# Altium PCB Lapwing2p2.PcbDoc (part 2 of 2)
Units mm, origin at the board's own origin, x right, y up, seen from the top; angles counter-clockwise.
Board outline 80 x 49 mm, 4 copper layers (Top Copper, Signal Layer 1, Signal Layer 2, Bottom Copper), stack 1.57 mm thick; 130 components, 100 nets, 510 pads, 237 vias.
Unrouted connection lines stored in the file: 94.
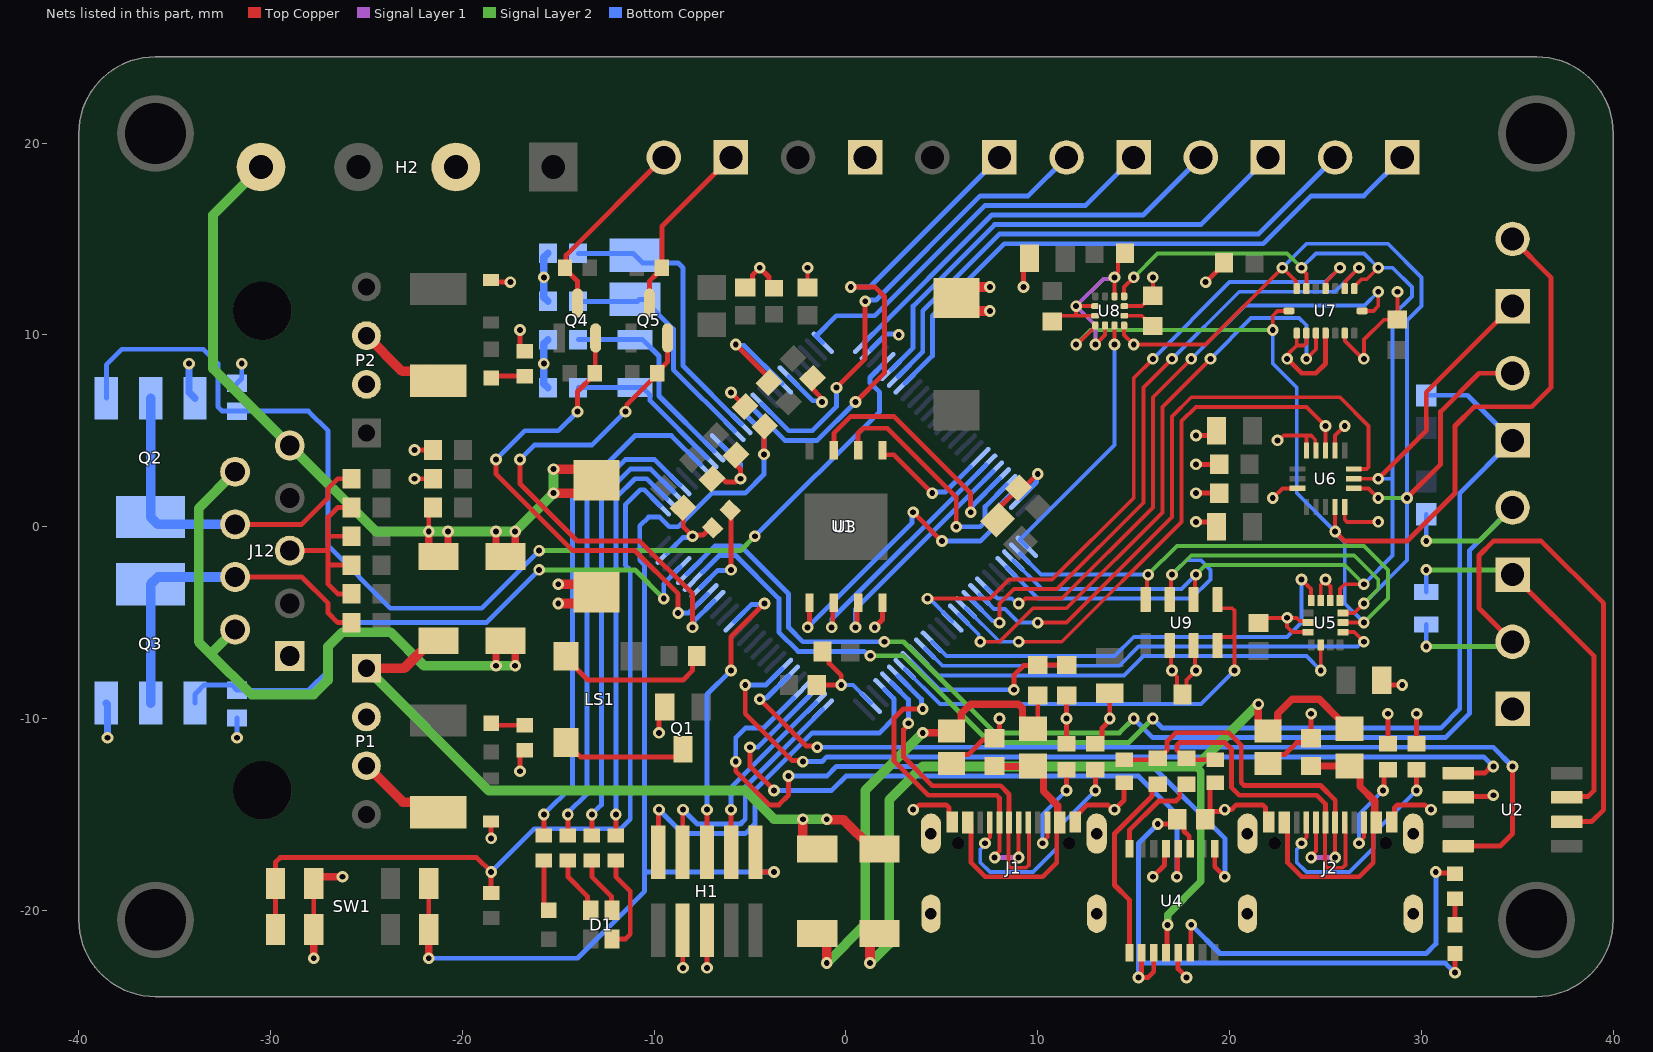
[diagram p4: the nets of this part, all layers, seen from the top]

## Via types
v1: diameter 0.61, hole 0.305, Top Copper to Bottom Copper, tented both sides, 236 vias
v2: diameter 0.61, hole 0.305, Top Copper to Bottom Copper, 1 vias

## Nets (pads, with @x,y where several pads share a name; then routed paths per layer and width w, separated by ;. In a path a pad name is that pad's centre, name@x,y a point inside that pad or via, vN(x,y) a via of type N, cw(c..) or ccw(c..) an arc to the next point about the centre after c; other vN are vias at no path point) (continued)
CAN_H: J11.1 R33.1 U2.7 | length 20.3
  Top Copper w0.254: J11.1@34.75,-2.5 39,-6.75 39,-13.75 38.689,-14.061 U2.7@37.629,-14.061
  Top Copper w0.381: U2.7@37.575,-14.115 U2.7@37.629,-14.061
  Signal Layer 2 w0.254: v1(30.25,-2.25) 34.5,-2.25 J11.1@34.75,-2.5
  Bottom Copper w0.254: R33.1@30.25,-3.4 v1(30.25,-2.25)
CAN_L: J13.2 R33.2 U2.6 | length 32.1
  Top Copper w0.254: J13.2@34.75,-6 33,-4.25 33,-1.5 33.75,-0.75 36.25,-0.75 39.5,-4 39.5,-14.75 38.882,-15.368 37.592,-15.368 U2.6@37.575,-15.385
  Signal Layer 2 w0.254: v1(30.25,-6.25) 34.5,-6.25 J13.2@34.75,-6
  Bottom Copper w0.254: v1(30.25,-6.25) R33.2@30.25,-5.1
CAN_RX: U1.81 U2.4 | length 49.3
  Top Copper w0.254: v1(-4.5,-9) -2.068,-11.432 -1.568,-11.432 v1(-1.5,-11.5) ; U2.4@31.925,-16.655 34.095,-16.655 34.75,-16 v1(34.75,-12.5)
  Bottom Copper w0.254: v1(-4.5,-9) -4.432,-8.932 -4.146,-8.932 U1.81@-2.982,-7.768 ; v1(-1.5,-11.5) 33.75,-11.5 v1(34.75,-12.5)
CAN_TX: U1.82 U2.1 | length 46.1
  Top Copper w0.254: v1(-5.25,-8.25) -5.25,-9.75 -2.818,-12.182 -2.318,-12.182 v1(-2.25,-12.25) ; U2.1@31.925,-12.845 33.309,-12.845 33.654,-12.5 v1(33.75,-12.5)
  Bottom Copper w0.254: v1(-5.25,-8.25) -4.172,-8.25 U1.82@-3.336,-7.414 ; v1(-2.25,-12.25) -1.25,-12.25 -1,-12 33.25,-12 v1(33.75,-12.5)
CS_ACCL: U1.59 U7.14 | length 34.8
  Top Copper w0.203: v1(8,-5) 8,-4 8.75,-3.25 11,-3.25 15.5,1.25 15.5,7.25 v1(17,8.75) ; U7.14@26,12.41 26.047,12.457 26.047,12.797 v1(26.75,13.5)
  Bottom Copper w0.203: 7.356,-4.623 6.612,-3.879 U1.59@6.599,-3.879 7.643,-4.922 7.922,-4.922 v1(8,-5) ; v1(17,8.75) 20.5,12.25 25.5,12.25 v1(26.75,13.5)
CS_ALTIMU: U1.66 U5.12 | length 25.1
  Top Copper w0.203: U5.12@25.913,-5.5 26.5,-5.5 v1(27,-6)
  Bottom Copper w0.203: U1.66@4.124,-6.354 5.021,-7.25 14.25,-7.25 15.25,-6.25 26.678,-6.25 26.928,-6 v1(27,-6)
CS_BARO: U1.69 U9.4 U9.5 | length 24.4
  Top Copper w0.203: U9.4@19.375,-6.2 19.375,-5.914 19.539,-5.75 20.13,-5.75 20.25,-5.63 ; U9.5@19.375,-3.8 19.375,-4.086 19.539,-4.25 20.131,-4.25 20.25,-4.369 20.25,-5.63 ; v1(20.25,-7.5) 20.25,-5.63
  Bottom Copper w0.203: U1.69@3.064,-7.414 4.899,-9.25 18.5,-9.25 v1(20.25,-7.5)
CS_GYRO: U1.61 U7.5 | length 32.5
  Top Copper w0.203: v1(7,-6) 8,-6 9.75,-4.25 11.5,-4.25 16.5,0.75 16.5,6.25 v1(19,8.75) ; v1(24,8.75) 24.5,9.25 U7.5@24.5,10.09
  Bottom Copper w0.203: U1.61@5.892,-4.586 6.922,-5.616 6.922,-5.922 v1(7,-6) ; v1(19,8.75) 21.125,10.875 23.625,10.875 24,10.5 v1(24,8.75)
CS_HIACCL: U1.58 U6.8 | length 32.4
  Top Copper w0.203: v1(10,-5) 11.5,-5 17,0.5 17,5.75 18,6.75 25.75,6.75 27.25,5.25 27.25,3.119 27.131,3 U6.8@26.47,3
  Bottom Copper w0.203: U1.58@6.953,-3.525 7.716,-4.289 8.289,-4.289 9,-5 v1(10,-5)
CS_MAG: U1.51 U8.3 | length 13.7
  Top Copper w0.203: v1(14,9.5) U8.3@14,10.49
  Bottom Copper w0.203: U1.51@9.427,-1.05 9.079,-0.702 9.079,-0.671 14,4.25 v1(14,9.5)
D1: J6.1 U1.15 | length 25.3
  Top Copper w0.254: v1(0.25,12.5) 1.5,12.5 2,12 2,8 v1(0.5,6.5)
  Bottom Copper w0.254: U1.15@-4.75,6.056 -3.194,4.5 -1.5,4.5 v1(0.5,6.5) ; v1(0.25,12.5) 1.25,12.5 J6.1@8,19.25
D2: J5.2 U1.16 | length 24.7
  Top Copper w0.254: v1(-0.5,7.25) 1,8.75 v1(1,11.75)
  Bottom Copper w0.254: U1.16@-4.396,6.41 -2.987,5 -1.75,5 -0.5,6.25 v1(-0.5,7.25) ; v1(1,11.75) 1.068,11.818 1.568,11.818 7,17.25 9.5,17.25 J5.2@11.5,19.25
D3: J5.1 U1.25 | length 20.9
  Bottom Copper w0.254: U1.25@-1.214,9.592 -1.56,9.937 -1.56,9.94 -0.5,11 1.5,11 7.25,16.75 12.5,16.75 14.227,18.477 J5.1@15,19.25
D4: J4.2 U1.26 | length 21.6
  Bottom Copper w0.254: U1.26@0.942,9.592 7.601,16.25 15.5,16.25 16.5,17.25 J4.2@18.5,19.25
D5: J4.1 U1.30 | length 25.5
  Bottom Copper w0.254: U1.30@2.356,8.177 3.5,9.321 3.5,11.5 7.75,15.75 18.5,15.75 21.227,18.477 J4.1@22,19.25
D6: J3.2 U1.31 | length 28.8
  Bottom Copper w0.254: U1.31@2.71,7.824 4,9.114 4,11.25 8,15.25 21.5,15.25 J3.2@25.5,19.25
D7: J3.1 U1.32 | length 32
  Bottom Copper w0.254: U1.32@3.064,7.47 4.5,8.907 4.5,11 8.25,14.75 21.75,14.75 24.25,17.25 27,17.25 J3.1@29,19.25
EMATCH_DROG: J12.8 Q2.D R27.1 | length 18.1
  Top Copper w0.254: J12.8@-31.845,0.122 -28.378,0.122 -27,1.5 -27,2 -26.5,2.5 R27.1@-25.79,2.5
  Bottom Copper w0.508: Q2.D@-36.25,6.698 Q2.D@-36.25,0.5 -35.872,0.122 J12.8@-31.845,0.122
EMATCH_MAIN: J12.7 Q3.D R29.2 | length 18.1
  Top Copper w0.254: J12.7@-31.845,-2.622 -28.378,-2.622 -27,-4 -27,-4.5 -26.5,-5 R29.2@-25.79,-5
  Bottom Copper w0.508: Q3.D@-36.25,-9.198 Q3.D@-36.25,-3 -35.872,-2.622 J12.7@-31.845,-2.622
FLASH_CLK: U1.47 U3.6 | length 13.1
  Top Copper w0.254: U3.6@0.635,3.975 0.635,4.885 0.885,5.135 2.156,5.135 5.75,1.541 v1(5.75,0)
  Bottom Copper w0.254: v1(5.75,0) 7,0 7.25,0.25 7.25,1.05 U1.47@8.367,2.167
FLASH_CS: U1.48 U3.1 | length 16.7
  Top Copper w0.254: v1@-1.905,-4.999 U3.1@-1.905,-3.975 ; v1(3.5,0.75) v1(5,-0.75)
  Bottom Copper w0.254: v1(-2,-5.25) 3.432,0.182 3.432,0.682 v1(3.5,0.75) ; v1(5,-0.75) 7,-0.75 7.75,0 7.75,0.843 U1.48@8.72,1.814
FLASH_IO0: U1.43 U3.5 | length 6.2
  Top Copper w0.254: U3.5@1.905,3.975 1.905,3.839 1.994,3.75 2.5,3.75 v1(4.5,1.75)
  Bottom Copper w0.254: v1(4.5,1.75) 4.565,1.815 5.186,1.815 U1.43@6.494,3.123
FLASH_IO1: U1.44 U3.2 | length 13.1
  Top Copper w0.254: v1(-0.75,-5.25) -0.693,-5.192 -0.693,-4.033 U3.2@-0.635,-3.975
  Bottom Copper w0.254: v1(-0.75,-5.25) -0.73,-5.23 -0.73,-4.808 U1.44@7.306,3.228
FLASH_IO2: U1.45 U3.3 | length 12.4
  Top Copper w0.254: v1(0.5,-5.25) 0.567,-5.182 0.567,-4.043 U3.3@0.635,-3.975
  Bottom Copper w0.254: v1(0.5,-5.25) 0.5,-4.286 U1.45@7.66,2.874
FLASH_IO3: U1.46 U3.7 | length 13.4
  Top Copper w0.254: U3.7@-0.635,3.975 -0.635,4.865 0.25,5.75 2.5,5.75 6.5,1.75 v1(6.5,0.75)
  Bottom Copper w0.254: v1(6.5,0.75) 6.568,0.818 6.568,1.075 U1.46@8.013,2.521
GND: C1.2 C2.1 C3.1 C4.1 C5.1 C6.1 C7.1 C8.1 C9.2 C10.2 C11.1 C12.2 C13.1 C14.1 C15.1 C16.1 C17.1 C18.1 C19.1 C20.1 C21.1 C22.2 C23.1 C24.1 C25.1 C26.1 C27.1 C28.1 C29.2 C30.1 C31.1 C32.2 C33.2 C34.2 C35.2 C36.2 C37.1 C38.2 C39.2 C40.2 C41.2 C42.2 C43.2 D9.2 D10.2 H1.3 H1.5 H2.2 J1.A1/B12 J1.B1/A12 J1.G1 J1.G2 J1.G3 J1.G4 J2.A1/B12 J2.B1/A12 J2.G1 J2.G2 J2.G3 J2.G4 J7.1 J12.1 J12.3 J13.1 P1.2 P2.2 Q1.S Q2.S Q3.S R1.1 R2.1 R3.1 R4.1 R5.1 R10.1 R15.2 R16.2 R19.1 R20.1 R26.1 R28.2 R30.2 SW1.3 SW1.7 U1.10 U1.19 U1.20 U1.27 U1.49 U1.74 U1.99 U2.2 U3.4 U4.5 U4.13 U5.2 U5.3 U5.6 U5.7 U6.5 U6.10 U6.12 U6.13 U6.16 U7.2 U7.4 U7.6 U7.7 U8.2 U8.6 U8.8 U8.11 U8.12 U9.2 U9.3 | length 184.2
  Top Copper w0.203: C15.1@-2,12.475 v1(-2,13.5) ; C39.2@10.75,10.71 11.04,11 12.119,11 ; v1(12,11.5) v1@12,11.25 ; U8.12@12.99,11 12.119,11 ; U8.11@12.99,11.5 12.25,11.5 v1@12,11.25 ; v1(13,9.5) 13.5,10 U8.2@13.5,10.49 ; U8.8@14,12.01 v1(14,13) 14,13.11 14.172,13.282 14.172,13.882 C32.2@14.54,14.25 ; U8.6@14.51,11.5 15.42,11.5 16,12.08 v1(16,13) ; U9.2@16.875,-6.2 16.938,-6.262 16.938,-7.437 v1(17,-7.5) 17,-7.572 17.25,-7.822 17.25,-8.815 17.435,-9 17.75,-8.685 17.75,-8 v1(18.25,-7.5) 18.188,-7.437 18.188,-6.262 U9.3@18.125,-6.2 ; C25.1@21.5,-5.025 21.775,-4.75 v1(23,-4.75) ; v1(22.25,1.5) 22.75,2 U6.16@23.53,2 ; v1(22.5,4.5) 22.572,4.5 22.822,4.75 24,4.75 ; v1(23,8.75) 23.078,8.828 23.078,9.028 23.5,9.45 ; U7.7@23.5,10.09 23.5,9.45 ; U6.13@24,3.97 24,4.75 ; U7.6@24,10.09 24,9.569 23.881,9.45 23.5,9.45 ; U5.7@24.088,-5.5 23.285,-5.5 23,-5.215 v1(23,-4.75) ; U5.6@24.088,-5 24.014,-4.927 23.677,-4.927 23.5,-4.75 v1(23,-4.75) ; U6.12@24.5,3.97 24.467,4.003 24.467,4.533 24.25,4.75 24,4.75 ; U5.3@24.75,-3.838 24.75,-3.035 v1@25,-2.785 ; v1(25,-2.75) v1@25,-2.785 ; U5.2@25.25,-3.838 25.25,-3.11 25,-2.86 v1@25,-2.785 ; U6.10@25.5,3.97 25.5,4.75 v1(26,5.25) ; U6.5@26,1.03 26,0.369 26.119,0.25 v1(27.75,0.25) ; U7.2@26,10.09 26.021,10.069 26.021,9.676 26.946,8.75 v1(27,8.75) 27,9.75 28.04,10.79 C35.2@28.75,10.79 ; C35.2@28.75,10.908 v1(28.75,12.25) ; v1@12,11.25 12,11.119 12.119,11
  Top Copper w0.254: J12.3@-29,-1.25 -27,-1.25 ; SW1.7@-27.75,-21 SW1.3@-27.75,-18.6 ; R30.2@-25.79,-3.5 -26.5,-3.5 -27,-3 -27,-2 ; C41.2@-25.79,-2 -27,-2 ; C27.1@-25.79,-0.5 -27,-0.5 ; R28.2@-25.79,1 -26.5,1 -27,0.5 -27,-0.5 ; v1(-22.5,2.5) -21.883,2.5 -21.79,2.593 R26.1@-21.79,2.75 ; v1(-22.5,4) C26.1@-21.54,4 ; v1(-18.5,-16.25) D9.2@-18.5,-15.365 ; D10.2@-18.5,12.865 -18.385,12.75 v1(-17.5,12.75) ; v1(-17,-12.75) -17,-11.898 -16.752,-11.65 R16.2@-16.75,-11.65 ; v1(-17,10.25) -17,9.398 -16.752,9.15 R15.2@-16.75,9.15 ; v2(-9.75,-10.75) -9.75,-9.7 Q1.S@-9.45,-9.4 ; H1.3@-8.52,-21.032 -8.51,-21.042 -8.51,-22.99 v1(-8.5,-23) ; C20.1@-8.487,0.987 -8.523,0.952 -8.523,0.46 -8.487,0.424 -8.487,-0.013 v1@-7.96,-0.54 ; v1(-8,-0.5) -7.932,-0.432 -7.446,-0.432 -7.074,-0.06 R5.1@-6.96,-0.06 ; v1(-7.25,-23) H1.5@-7.25,-21.032 ; C19.1@-6.987,2.487 -6.952,2.523 -6.46,2.523 -6.267,2.33 -5.767,2.33 -5.596,2.5 v1(-5.5,2.5) -5.5,3 -5.741,3.241 -5.741,3.733 C17.1@-5.737,3.737 ; v1(-6,7) C6.1@-5.263,6.263 ; v1(-5.75,9.5) -4.013,7.763 C3.1@-4.013,7.513 ; C24.1@-5.25,12.475 -5.22,12.475 -4.872,12.823 -4.872,13.128 v1(-4.5,13.5) -4.016,13.016 -4.016,12.691 C23.1@-3.75,12.425 ; C18.1@-1.737,7.737 -1.773,7.702 -1.773,7.21 -1.318,6.755 -1.318,6.568 v1(-1.25,6.5) ; C21.1@-1.525,-8.25 v1(-0.25,-8.25) -0.25,-7.75 -0.877,-7.123 -0.877,-6.848 C16.1@-1.225,-6.5 ; v1(1.5,-5.25) 1.5,-5.244 1.905,-4.839 U3.4@1.905,-3.975 ; v1(3.5,-14.75) 3.577,-14.75 3.827,-14.5 5.228,-14.5 5.377,-14.649 5.377,-15.237 J1.A1/B12@5.55,-15.41 ; C7.1@5.5,-12.35 5.965,-11.885 6.365,-11.885 7.127,-11.123 7.402,-11.123 7.75,-10.775 C4.1@7.75,-11.025 8,-10.775 v1(8,-10) ; C11.1@7.899,0.101 7.899,0.899 8.987,1.987 C14.1@8.987,2.013 C14.1@8.987,1.75 ; C14.1@9,1.75 v1(10,2.75) ; v1(9.25,12.5) 9.25,13.685 C36.2@9.565,14 ; R3.1@11.5,-11.325 R10.1@11.5,-8.79 ; J1.B1/A12@11.95,-15.41 11.95,-15.135 12.585,-14.5 13.654,-14.5 13.904,-14.75 v1(14,-14.75) 14.5,-14.25 C10.2@14.5,-13.35 ; R1.1@13,-11.325 13.075,-11.325 13.348,-11.052 13.348,-10.498 13.75,-10.096 C33.2@13.75,-8.685 ; v1(16,-18.25) 16.606,-17.644 16.606,-16.858 U4.5@16.682,-16.782 ; U4.13@17.317,-22.218 17.317,-23.056 17.75,-23.489 v1(17.75,-23.5) ; v1(18.25,0.25) 19.065,0.25 C34.2@19.315,0 ; v1(18.25,1.75) C38.2@19.46,1.75 ; v1(18.25,3.25) C30.1@19.46,3.25 ; v1(18.25,4.75) 19.065,4.75 C40.2@19.315,5 ; C22.2@18.725,-15.25 18.725,-15.2 19.073,-14.852 19.552,-14.852 19.654,-14.75 v1(19.75,-14.75) ; v1(18.75,12.75) 19.71,13.71 C31.1@19.71,13.75 ; C22.2@18.975,-15.2 18.975,-13.375 C9.2@19,-13.35 ; v1@20,-14.75 20.096,-14.75 20.346,-14.5 21.728,-14.5 21.877,-14.649 21.877,-15.237 J2.A1/B12@22.05,-15.41 ; C8.1@22,-12.35 22.473,-11.877 22.873,-11.877 23.493,-11.257 23.852,-11.257 C5.1@24.167,-10.942 ; v1(23,8.75) 23.75,8 24.5,8 25,8.5 U7.4@25,10.09 ; C5.1@24.25,-11.025 v1(24.25,-9.75) ; C37.1@27.935,-8.25 v1(29,-8.25) ; R4.1@28.25,-11.325 v1(28.25,-9.75) ; J2.B1/A12@28.45,-15.41 28.595,-15.265 28.595,-14.649 28.743,-14.5 30.173,-14.5 30.423,-14.75 v1(30.5,-14.75) ; R2.1@29.75,-11.325 v1(29.75,-9.75) ; U2.2@31.925,-14.115 31.982,-14.058 33.693,-14.058 v1(33.75,-14) ; -27,-2 -27,-1.25 ; -27,-1.25 -27,-0.5
  Top Copper w0.381: v1(-27.75,-22.5) SW1.7@-27.75,-21 ; SW1.3@-27.75,-18.6 -27.75,-18.559 -27.44,-18.25 v1(-26.25,-18.25) ; R26.1@-21.79,2.75 R26.1@-21.54,2.5 ; Q1.S@-9.45,-9.6 Q1.S@-9.45,-9.4
  Top Copper w0.508: v1(-15,-4) -13.575,-4 C43.2@-13,-3.425 -13.425,-3 v1(-15,-3) ; v1(7.5,11.25) 6.425,11.25 C42.2@5.75,11.925 6.325,12.5 v1(7.5,12.5)
  Signal Layer 1 w0.203: v1(13,9.5) 13,10.5 v1(12,11.5) 13.422,12.922 v1@13.922,12.922
  Bottom Copper w0.203: v1(-0.25,-8.25) 0.364,-8.25 U1.74@1.296,-9.182
  Bottom Copper w0.254: v1(-31.75,-11) R20.1@-31.75,-9.975 ; R19.1@-31.75,7.475 -31.5,7.725 v1(-31.5,8.5) ; U1.99@-9.346,-1.404 -8.511,-0.568 -8.068,-0.568 v1(-8,-0.5) ; U1.10@-6.518,4.288 -5.5,3.271 v1(-5.5,2.5) ; v1(-5.75,9.5) -5.711,9.461 -5.327,9.461 U1.19@-3.336,7.47 ; U1.20@-2.982,7.824 -1.726,6.568 -1.318,6.568 v1(-1.25,6.5) ; U1.27@1.296,9.238 2.113,10.056 2.694,10.056 v1(2.75,10) ; U1.49@9.074,1.46 9.932,2.318 9.932,2.682 v1(10,2.75)
  Bottom Copper w0.381: Q3.S@-38.561,-9.198 -38.5,-9.259 v1(-38.5,-11) ; v1(-34.25,8.5) -34.25,7.009 Q2.S@-33.939,6.698 ; v1@-15.75,8.438 -15.75,7.46 C1.2@-15.54,7.25 ; v1(-15.75,8.5) -15.75,9.54 C2.1@-15.54,9.75 ; C12.2@-15.54,11.75 -15.75,11.96 -15.75,14.04 C13.1@-15.54,14.25
  other v1: 11.5,-10 13.75,-10 -15.75,13
H1: J8.2 Q4.3 R23.1 | length 10
  Top Copper w0.254: Q4.3@-14,11.66 -14,12.803 -14.399,13.202 -14.402,13.202 -14.65,13.45 R23.1@-14.65,13.5 -14.593,13.557 -14.593,14.157 J8.2@-9.5,19.25
H2: J8.1 Q5.3 R24.1 | length 9.4
  Top Copper w0.254: Q5.3@-10.25,11.66 -10.25,12.803 -9.851,13.202 -9.848,13.202 -9.6,13.45 R24.1@-9.6,13.5 -9.6,15.65 J8.1@-6,19.25
HIO1_RAW: Q4.2 R21.1 U1.93 | length 25.3
  Top Copper w0.254: v1(-18.25,3.5) -18.25,2.75 -14.25,-1.25 -11,-1.25 -8.75,-3.5 v1(-8.75,-4.5) ; v1(-14,6) -14,7.05 -13.1,7.95 R21.1@-13.1,8 -13.075,8.025 -13.075,9.815 Q4.2@-13.05,9.84
  Bottom Copper w0.254: v1(-18.25,3.5) -16.75,5 -15,5 v1(-14,6) ; v1(-8.75,-4.5) -8.2,-4.5 U1.93@-7.225,-3.525
HIO2_RAW: Q5.2 R22.1 U1.92 | length 27.5
  Top Copper w0.254: v1(-17,3.5) -17,2.25 -14,-0.75 -10.75,-0.75 -8,-3.5 v1(-8,-5.25) ; v1(-11.5,6) -11.432,6.068 -11.432,6.368 -9.85,7.95 R22.1@-9.85,8 -9.85,8.05 -9.3,8.6 Q5.2@-9.3,9.84
  Bottom Copper w0.254: v1(-17,3.5) -16.25,4.25 -13.25,4.25 v1(-11.5,6) ; v1(-8,-5.25) -7.932,-5.182 -7.932,-4.939 U1.92@-6.871,-3.879
INT_ACCL: U1.57 U7.16 | length 32.6
  Top Copper w0.203: v1(9,-4) 9.11,-4 9.36,-3.75 11.25,-3.75 16,1 16,6.75 v1(18,8.75) ; U7.16@26.91,11.25 27.5,11.25 27.75,11.5 v1(27.75,12.25)
  Bottom Copper w0.203: U1.57@7.306,-3.172 7.319,-3.172 7.897,-3.75 8.64,-3.75 8.89,-4 v1(9,-4) ; v1(18,8.75) 20.792,11.542 27.042,11.542 v1(27.75,12.25)
INT_ALTIMU1: U1.65 U5.4 | length 23.9
  Top Copper w0.203: v1(23.75,-2.75) 24.25,-3.25 U5.4@24.25,-3.838
  Bottom Copper w0.203: U1.65@4.478,-6 4.49,-6 5.24,-6.75 14,-6.75 15,-5.75 23,-5.75 23.75,-5 v1(23.75,-2.75)
INT_ALTIMU2: U1.67 U5.9 | length 23.5
  Top Copper w0.203: v1(24.75,-7.5) U5.9@24.75,-6.163
  Bottom Copper w0.203: U1.67@3.771,-6.707 3.783,-6.707 4.826,-7.75 14.5,-7.75 15.5,-6.75 24,-6.75 v1(24.75,-7.5)
INT_GYRO: U1.62 U7.12 | length 35.5
  Top Copper w0.203: v1(4.25,-3.75) 7.5,-3.75 8.5,-2.75 10.75,-2.75 15,1.5 15,7.75 v1(16,8.75) ; U7.12@25,12.41 25.047,12.457 25.047,12.797 v1(25.75,13.5)
  Bottom Copper w0.203: v1(4.25,-3.75) 4.349,-3.75 U1.62@5.538,-4.939 ; v1(16,8.75) 20,12.75 25,12.75 v1(25.75,13.5)
INT_HIACCL: U1.60 U6.11 | length 29.3
  Top Copper w0.203: v1(9,-6) 11.25,-6 17.5,0.25 17.5,5.5 18.25,6.25 24,6.25 v1(25,5.25) U6.11@25,3.97
  Bottom Copper w0.203: U1.60@6.246,-4.232 8.013,-6 v1(9,-6)
JTDI: H1.8 U1.77 | length 9.6
  Top Copper w0.254: v1(-6,-14.75) -5.99,-14.76 -5.99,-16.958 H1.8@-5.98,-16.968
  Bottom Copper w0.254: v1(-6,-14.75) -6,-13.614 U1.77@-1.568,-9.182
LED_BLUE: R14.2 U1.4 | length 24.3
  Top Copper w0.254: R14.2@-14.5,-16.1 v1(-14.5,-15)
  Bottom Copper w0.254: v1(-14.5,-15) -14.5,-14.923 -13.5,-13.923 -13.5,1.5 -11.5,3.5 -9.972,3.5 U1.4@-8.639,2.167
LED_GREEN: R13.2 U1.3 | length 22.7
  Top Copper w0.254: R13.2@-13.25,-16.1 v1(-13.25,-15)
  Bottom Copper w0.254: v1(-13.25,-15) -12.75,-14.5 -12.75,1.5 -11.25,3 -10.179,3 U1.3@-8.993,1.814
LED_RED: R12.2 U1.2 | length 21.1
  Top Copper w0.254: R12.2@-12,-16.1 v1(-12,-15)
  Bottom Copper w0.254: v1(-12,-15) -12,1.5 -11,2.5 -10.386,2.5 U1.2@-9.346,1.46
LED_UART: R17.2 U4.14 | length 19.9
  Top Copper w0.254: U4.14@17.952,-22.218 17.976,-22.194 17.976,-20.774 v1(18,-20.75) ; v1(30.75,-18) 30.8,-18.05 31.7,-18.05 R17.2@31.75,-18.1
  Bottom Copper w0.254: v1(18,-20.75) 19.5,-22.25 30.25,-22.25 30.75,-21.75 v1(30.75,-18)
LED_USER: R11.2 U1.7 | length 26.9
  Top Copper w0.254: R11.2@-15.75,-16.1 v1(-15.75,-15)
  Bottom Copper w0.254: v1(-15.75,-15) -14.25,-13.5 -14.25,1.5 -11,4.75 -9.101,4.75 U1.7@-7.578,3.228
MISO: J9.1 U1.53 U5.1 U6.7 U7.10 U7.15 U8.7 U9.6 | length 74.1
  Top Copper w0.203: U8.7@14.5,12.01 14.5,12.5 v1(15,13) ; U9.6@18.125,-3.8 18.188,-3.737 18.188,-2.562 v1(18.25,-2.5) ; v1(23.75,13.5) 23.75,13.428 24,13.178 U7.10@24,12.41 ; U5.1@25.75,-3.838 25.75,-3.25 26,-3 v1(27,-3) ; U6.7@26.47,2.5 v1(27.75,2.5) ; U7.15@26.5,12.41 26.5,12.53 26.87,12.9 27.15,12.9 v1(27.75,13.5) ; J9.1@33.951,10.702 J9.1@34.75,11.5
  Top Copper w0.254: v1(27.75,2.5) 30.25,5 30.25,7 J9.1@33.951,10.702
  Signal Layer 2 w0.203: v1(15,13) 16.25,14.25 23,14.25 v1(23.75,13.5) ; v1(18.25,-2.5) 18.75,-2 26,-2 v1(27,-3)
  Bottom Copper w0.203: U1.53@8.72,-1.757 10.213,-3.25 17.5,-3.25 v1(18.25,-2.5) ; v1(23.75,13.5) 24.5,14.25 27,14.25 v1(27.75,13.5) 28.5,13.5 29.5,12.5 29.5,12 28.5,11 28.5,2.5 ; v1(27,-3) 28.5,-1.5 28.5,2.5 ; v1(27.75,2.5) 28.5,2.5
MOSI: J10.2 U1.54 U5.14 U6.6 U7.9 U8.4 U9.7 | length 82.2
  Top Copper w0.203: U8.4@14.5,10.49 14.5,10 v1(15,9.5) 18.75,9.5 v1(22.75,13.5) 23.453,12.797 23.453,12.457 U7.9@23.5,12.41 ; U9.7@16.875,-3.8 16.938,-3.737 16.938,-2.562 v1(17,-2.5) ; U5.14@25.913,-4.5 26.5,-4.5 v1(27,-4) ; U6.6@26.47,2 27.25,2 v1(27.75,1.5)
  Top Copper w0.254: v1(29.25,1.5) 31,3.25 31,6 33,8 J10.2@34.75,8
  Signal Layer 2 w0.203: v1(17,-2.5) 18,-1.5 26.5,-1.5 27.75,-2.75 27.75,-3.25 v1(27,-4) ; v1(27.75,1.5) v1(29.25,1.5)
  Bottom Copper w0.203: U1.54@8.367,-2.111 10.006,-3.75 18,-3.75 19,-2.75 19,-2.25 18.5,-1.75 17.75,-1.75 v1(17,-2.5) ; v1(22.75,13.5) 24,14.75 28.25,14.75 30,13 30,11.5 29.25,10.75 v1(29.25,1.5) 29.25,-1.75 v1(27,-4)
NetC1_1: C1.1 U1.8 XTAL1.2 | length 8.4
  Bottom Copper w0.254: C1.1@-13.96,7.25 XTAL1.2@-11,7.25 -10.8,7.25 -10.6,7.25 -10.227,6.877 -10.227,6.583 U1.8@-7.225,3.581
NetC2_2: C2.2 U1.9 XTAL1.1 | length 10.7
  Bottom Copper w0.254: C2.2@-13.96,9.75 XTAL1.1@-11,9.75 -10.6,9.75 -9.75,8.9 -9.75,6.814 U1.9@-6.871,3.935
NetC4_2: C4.2 J1.A4/B9 J1.B4/A9 L1.1 | length 15.2
  Top Copper w0.254: J1.A4/B9@6.512,-15.572 6.35,-15.41 6.523,-15.583 6.523,-17.523 7.25,-18.25 10.25,-18.25 10.988,-17.512 10.988,-15.572 J1.B4/A9@11.15,-15.41
  Top Copper w0.381: C4.2@7.75,-12.475 7.775,-12.5 9.723,-12.5 L1.1@9.75,-12.472 9.842,-12.472 10.295,-12.925 10.295,-13.794 11.041,-14.54 11.041,-15.301 J1.B4/A9@11.15,-15.41
NetC5_2: C5.2 J2.A4/B9 J2.B4/A9 L2.1 | length 15
  Top Copper w0.254: J2.A4/B9@22.85,-15.41 23.023,-15.583 23.023,-17.523 23.75,-18.25 26.75,-18.25 27.488,-17.512 27.488,-15.572 27.65,-15.41 J2.B4/A9@27.603,-15.363 ; L2.1@26.25,-12.472 L2.1@26.347,-12.57
  Top Copper w0.381: C5.2@24.25,-12.475 24.252,-12.472 L2.1@26.25,-12.472 ; L2.1@26.347,-12.57 26.44,-12.57 26.795,-12.925 26.795,-13.544 27.569,-14.319 27.569,-15.329 J2.B4/A9@27.603,-15.363
NetC12_1: C12.1 U1.12 XTAL2.2 | length 12.3
  Bottom Copper w0.254: C12.1@-13.96,11.75 -10.875,11.75 -10.775,11.85 -10.55,11.85 -9,10.3 -9,8.185 U1.12@-5.811,4.996
NetC13_2: C13.2 U1.13 XTAL2.1 | length 15.2
  Bottom Copper w0.254: C13.2@-13.96,14.25 -11.1,14.25 XTAL2.1@-11,14.15 -10.6,13.75 -8.75,13.75 -8.5,13.5 -8.5,8.392 U1.13@-5.457,5.349
NetC29_1: C29.1 U8.5 | length 1.7
  Top Copper w0.203: U8.5@14.51,11 15.42,11 15.96,10.46 C29.1@16,10.46
NetD1_2: D1.2 R14.1 | length 3.1
  Top Copper w0.254: R14.1@-14.5,-17.4 -14.493,-17.407 -14.493,-18.257 -13.482,-19.268 -13.482,-19.818 D1.2@-13.3,-20
NetD1_3: D1.3 R13.1 | length 3
  Top Copper w0.254: R13.1@-13.25,-17.4 -13.25,-18.25 -12.232,-19.268 -12.232,-19.968 D1.3@-12.2,-20
NetD1_4: D1.4 R12.1 | length 5.2
  Top Copper w0.254: D1.4@-12.2,-21.5 -11.5,-21.5 -11.25,-21.25 -11.25,-19 -12,-18.25 R12.1@-12,-17.4
NetD2_1: D2.1 R15.1 | length 1.8
  Top Copper w0.254: D2.1@-18.5,7.75 -18.4,7.85 R15.1@-16.75,7.85
NetD3_1: D3.1 R16.1 | length 1.8
  Top Copper w0.254: D3.1@-18.5,-10.25 -18.4,-10.35 R16.1@-16.75,-10.35
NetD4_1: D4.1 R17.1 | length 1.3
  Top Copper w0.254: D4.1@31.75,-20.75 R17.1@31.75,-19.4
NetDS1_2: DS1.2 R11.1 | length 2.7
  Top Copper w0.254: R11.1@-15.75,-17.4 -15.75,-19.75 DS1.2@-15.5,-20
NetF1_1: F1.1 P1.3 | length 4.8
  Top Copper w0.508: P1.3@-25,-12.46 -23.098,-14.362 -21.778,-14.362 F1.1@-21.25,-14.89
NetF2_1: F2.1 P2.3 | length 5.6
  Top Copper w0.381: F2.1@-21.9,8.26 F2.1@-21.25,7.61
  Top Copper w0.508: P2.3@-25,9.96 -23.138,8.098 -21.738,8.098 F2.1@-21.25,7.61
NetJ1_A5: J1.A5 R1.2 | length 12
  Top Copper w0.203: v1(7.25,-16.5) 7.25,-16.443 7.5,-16.193 7.5,-15.41 J1.A5@7.452,-15.458
  Top Copper w0.254: v1(13,-13.75) R1.2@13,-12.675
  Bottom Copper w0.203: v1(7.25,-16.5) 7.25,-16.572 7,-16.822 7,-17.5 7.5,-18 9.75,-18 11,-16.75 11,-15.75 v1(13,-13.75)
NetJ1_B5: J1.B5 R3.2 | length 5.5
  Top Copper w0.203: v1(10.25,-16.5) 10.25,-16.443 10.5,-16.193 J1.B5@10.5,-15.41
  Top Copper w0.254: v1(11.5,-13.75) R3.2@11.5,-12.675
  Bottom Copper w0.203: v1(10.25,-16.5) 10.25,-15 v1(11.5,-13.75)
NetJ2_A5: J2.A5 R2.2 | length 12.1
  Top Copper w0.203: v1(23.75,-16.5) 23.75,-16.443 24,-16.193 24,-15.41 J2.A5@23.952,-15.458
  Top Copper w0.254: v1(29.75,-13.75) R2.2@29.75,-12.675
  Bottom Copper w0.203: v1(23.75,-16.5) 23.75,-16.572 23.5,-16.822 23.5,-17.5 24,-18 26.25,-18 27.5,-16.75 27.5,-16 v1(29.75,-13.75)
NetJ2_B5: J2.B5 R4.2 | length 5.6
  Top Copper w0.203: v1(26.75,-16.5) 26.75,-16.443 27,-16.193 J2.B5@27,-15.41
  Top Copper w0.254: v1@28.044,-13.706 R4.2@28.044,-12.881
  Top Copper w0.381: v1(28,-13.75) v1@28.044,-13.706 ; R4.2@28.044,-12.881 R4.2@28.25,-12.675
  Bottom Copper w0.203: v1(26.75,-16.5) 26.75,-15 v1(28,-13.75)
NetLS1_N: LS1.N Q1.D | length 6.7
  Top Copper w0.254: LS1.N@-14.6,-11.25 -14.6,-11.35 -14.077,-11.873 -13.977,-11.873 -13.85,-12 -8.873,-12 -8.5,-11.627 Q1.D@-8.5,-11.6
NetLS1_P: LS1.P R18.1 | length 9.1
  Top Copper w0.254: LS1.P@-14.077,-6.127 -14.6,-6.65 LS1.P@-14.6,-6.75 -14.6,-6.85 -14.077,-7.373 -13.45,-8 -8.5,-8 -8.007,-7.507 -8.007,-6.982 R18.1@-7.775,-6.75
NetR5_2: R5.2 U1.94 | length 5.1
  Top Copper w0.254: R5.2@-6.04,0.86 -6.005,0.824 -6.005,-2.245 v1(-6,-2.25)
  Bottom Copper w0.254: U1.94@-7.578,-3.172 -6.686,-2.279 -6.029,-2.279 v1(-6,-2.25)
NetR6_2: R6.2 U4.8 | length 5
  Top Copper w0.254: U4.8@14.777,-16.782 14.777,-15.823 16.301,-14.299 17.201,-14.299 17.402,-14.098 17.402,-13.523 R6.2@17.5,-13.425
NetR7_2: R7.2 U4.9 | length 10.1
  Top Copper w0.254: U4.9@14.777,-22.218 14.777,-19.458 14,-18.68 14,-16 15.96,-14.04 15.96,-13.698 16.233,-13.425 R7.2@16.25,-13.425
nRST: C6.2 H1.10 SW1.1 SW1.5 U1.14 | length 57.2
  Top Copper w0.254: SW1.5@-21.75,-21 SW1.1@-21.75,-18.6 ; H1.10@-4.71,-16.968 -4.71,-17.759 -4.469,-18 v1(-3.75,-18) ; v1@-4.273,3.676 v1(-4.273,3.773) C6.2@-4.273,5.202
  Top Copper w0.381: v1(-21.75,-22.5) SW1.5@-21.75,-21 ; C6.2@-4.273,5.202 C6.2@-4.237,5.237
  Bottom Copper w0.254: v1(-21.75,-22.5) -14,-22.5 -10.5,-19 -10.5,-18 ; U1.14@-5.104,5.703 -4.273,4.872 v1(-4.273,3.773) -4.273,2.727 -5.25,1.75 -7,1.75 -8.75,0 -9.209,0 -9.709,0.5 -10.291,0.5 -10.75,0.041 -10.75,-1.75 -10.5,-2 -10.5,-18 ; v1(-3.75,-18) -10.5,-18
SCK: J9.2 U1.52 U5.13 U6.4 U7.8 U8.1 U9.8 | length 84.1
  Top Copper w0.203: v1(12,9.5) 12.05,9.5 13,10.45 U8.1@13,10.49 ; U9.8@15.625,-3.8 15.688,-3.737 15.688,-2.562 v1(15.75,-2.5) ; v1(22.25,10.25) 22.25,11 22.5,11.25 U7.8@23.09,11.25 ; v1(25.5,-0.25) U6.4@25.5,1.03 ; U5.13@25.913,-5 v1(27,-5)
  Top Copper w0.254: v1(25.5,-0.25) 26,-0.75 29.25,-0.75 31.75,1.75 31.75,5.25 32.75,6.25 35.75,6.25 36.75,7.25 36.75,13 J9.2@34.75,15
  Signal Layer 2 w0.203: v1(12,9.5) 12.75,10.25 v1(22.25,10.25) ; v1(15.75,-2.5) 17.25,-1 27,-1 28.25,-2.25 28.25,-3.75 v1(27,-5)
  Bottom Copper w0.203: U1.52@9.074,-1.404 10.17,-2.5 v1(15.75,-2.5) ; v1(22.25,10.25) 22.25,8.5 23.5,7.25 23.5,1.75 v1(25.5,-0.25) 25.5,-0.322 26,-0.822 26,-4 v1(27,-5)
SCL: J10.1 R31.1 U1.95 | length 66.6
  Signal Layer 2 w0.254: v1(1.271,-6.729) 2.979,-6.729 7.5,-11.25 14.75,-11.25 v1(16,-10)
  Bottom Copper w0.254: U1.95@-7.474,-2.36 -6.614,-1.5 -5.75,-1.5 -3.5,-3.75 -3.5,-5.5 -2.5,-6.5 0.946,-6.5 1.175,-6.729 v1(1.271,-6.729) ; v1(16,-10) 16.5,-10.5 31,-10.5 32,-9.5 32,1.75 J10.1@34.75,4.5 32.4,6.85 R31.1@30.25,6.85
SDA: J11.2 R32.1 U1.96 | length 66
  Signal Layer 2 w0.254: v1(2,-6) 3,-6 7.75,-10.75 14.25,-10.75 v1(15,-10) ; v1(30.25,-0.75) 33,-0.75 J11.2@34.75,1
  Bottom Copper w0.254: U1.96@-8.286,-2.464 -6.821,-1 -5.5,-1 -3,-3.5 -3,-5.25 -2.25,-6 v1(2,-6) ; v1(15,-10) 16,-11 31.25,-11 32.5,-9.75 32.5,-1.25 J11.2@34.75,1 ; v1(30.25,-0.75) R32.1@30.25,0.65
SEP_DROG: Q2.G R19.2 U1.29 | length 60.1
  Signal Layer 2 w0.254: v1(-16,-1.25) -5.5,-1.25 v1(-4.75,-0.5)
  Bottom Copper w0.254: Q2.G@-38.561,6.698 -38.561,8.439 -37.75,9.25 -33.5,9.25 -32.75,8.5 -32.75,6.25 -32.525,6.025 R19.2@-31.75,6.025 -28.025,6.025 -27,5 -27,-1 -23.75,-4.25 -19,-4.25 v1(-16,-1.25) ; v1(-4.75,-0.5) 1.75,6 1.75,7 1.25,7.5 1.25,7.778 U1.29@2.003,8.531
SEP_MAIN: Q3.G R20.2 U1.97 | length 31.2
  Signal Layer 2 w0.254: v1(-16,-2.25) -11,-2.25 v1(-9.5,-3.75)
  Bottom Copper w0.254: Q3.G@-33.939,-9.198 -33.939,-8.733 -33.456,-8.25 -32.025,-8.25 R20.2@-31.75,-8.525 -28.025,-8.525 -27,-7.5 -27,-6.25 -25.75,-5 -18.75,-5 v1(-16,-2.25) ; v1(-9.5,-3.75) -9.5,-2.972 U1.97@-8.639,-2.111
SW_H: R8.2 SW1.4 SW1.8 U1.1 | length 43.7
  Top Copper w0.254: SW1.8@-29.75,-21 SW1.4@-29.75,-18.6 -29.75,-17.5 -29.5,-17.25 -19.25,-17.25 v1(-18.5,-18) -18.5,-19.05 R8.2@-18.607,-19.157
  Bottom Copper w0.254: v1(-18.5,-18) -16.25,-15.75 -11.75,-15.75 -11.25,-15.25 -11.25,-2.25 -11.5,-2 -11.5,1.151 -10.728,1.924 -10.517,1.924 U1.1@-9.7,1.106
SWCLK: H1.4 U1.76 | length 13.3
  Top Copper w0.254: H1.4@-8.52,-16.968 -8.51,-16.958 -8.51,-14.76 v1(-8.5,-14.75)
  Bottom Copper w0.254: v1(-8.5,-14.75) -7.75,-15.5 -5.5,-15.5 -5.25,-15.25 -5.25,-13.571 U1.76@-1.214,-9.536
SWDIO: H1.2 U1.72 | length 20.2
  Top Copper w0.254: H1.2@-9.79,-16.968 -9.77,-16.948 -9.77,-14.77 v1(-9.75,-14.75)
  Bottom Copper w0.254: v1(-9.75,-14.75) -8.5,-16 -5.25,-16 -4.75,-15.5 -4.75,-13.75 -1.75,-10.75 1.75,-10.75 2.5,-10 2.5,-8.972 U1.72@2.003,-8.475
SWO: H1.6 U1.89 | length 16.2
  Top Copper w0.254: H1.6@-7.25,-16.968 v1(-7.25,-14.75) ; v1(-6,-7.5) -6,-5.75 v1(-4.25,-4)
  Bottom Copper w0.254: v1(-7.25,-14.75) -7.25,-8.75 v1(-6,-7.5) ; U1.89@-5.811,-4.939 -4.936,-4.065 -4.315,-4.065 v1(-4.25,-4)
UART_RX: U1.79 U4.1 | length 38.5
  Top Copper w0.254: v1(-5.75,-12.25) -5.75,-12.75 -4,-14.5 -3.5,-14.5 -3,-14 v1(-3,-13) ; U4.1@19.222,-16.782 19.222,-17.722 v1(19.75,-18.25)
  Bottom Copper w0.254: v1(-5.75,-12.25) -5.75,-11 -5.25,-10.5 -4.3,-10.5 U1.79@-2.733,-8.933 ; v1(-3,-13) -1,-13 -0.5,-12.5 16,-12.5 19.75,-16.25 v1(19.75,-18.25)
UART_TX: U1.78 U4.4 | length 33.8
  Top Copper w0.254: v1(-5,-11.5) -5,-12.5 v1(-3.75,-13.75) ; v1(17.25,-18.25) 17.284,-18.216 17.284,-16.816 U4.4@17.317,-16.782
  Bottom Copper w0.254: v1(-5,-11.5) -4.593,-11.5 U1.78@-1.922,-8.828 ; v1(-3.75,-13.75) -0.75,-13.75 0,-13 15.25,-13 17.25,-15 v1(17.25,-18.25)
UART_VIO: C22.1 D4.2 U4.3 U4.10 U4.11 | length 31.9
  Top Copper w0.254: v1(15.25,-23.5) 15.75,-23.5 16.047,-23.203 U4.11@16.047,-22.218 ; v1@15.412,-23.244 U4.10@15.412,-22.218 ; v1(16.25,-15.5) 17.025,-15.5 17.15,-15.375 17.35,-15.375 17.623,-15.648 17.623,-15.873 17.897,-16.147 17.897,-16.726 U4.3@17.952,-16.782 ; v1(31.75,-23.25) D4.2@31.75,-22.25
  Bottom Copper w0.254: v1(15.25,-23.5) 15.25,-22.75 ; v1(16.25,-15.5) 15.25,-16.5 15.25,-22.75 ; v1(31.75,-23.25) 31.25,-22.75 15.25,-22.75
USB1_N: J1.A7 J1.B7 U1.70 | length 18.8
  Top Copper w0.203: v1@7.75,-17.154 8,-16.904 J1.B7@8,-15.41 ; v1(9,-17.246) J1.A7@9,-15.41
  Top Copper w0.254: v1(4,-9.5) 3,-9.5 2.5,-10 2.5,-12.207 4.297,-14.004 7.851,-14.004 8,-14.153 J1.B7@8,-15.41 ; v1(7.75,-17.25) v1@7.75,-17.154 ; J1.A7@9,-15.41 J1.A7@9.004,-15.406
  Signal Layer 1 w0.254: v1(7.75,-17.25) 7.752,-17.248 8.998,-17.248 v1(9,-17.246)
  Bottom Copper w0.254: U1.70@2.71,-7.768 3.932,-8.99 3.932,-9.432 v1(4,-9.5)
USB1_P: J1.A6 J1.B6 U1.71 | length 17.8
  Top Copper w0.203: J1.A6@8.5,-15.41 8.467,-15.443 8.467,-17.664 8.586,-17.783 9.381,-17.783 9.533,-17.631 9.533,-15.443 J1.B6@9.5,-15.41
  Top Copper w0.254: v1(3.25,-10.25) 3.25,-10.327 3,-10.577 3,-12 4.504,-13.504 8.058,-13.504 8.5,-13.946 J1.A6@8.5,-15.41
  Bottom Copper w0.254: U1.71@2.356,-8.121 3.25,-9.015 v1(3.25,-10.25)
USB1_VBUS: C7.2 D7.A L1.2 R9.2 | length 26.1
  Top Copper w0.254: D7.A@-1.5,-21.2 D7.A@-1,-21.7 ; C7.2@5.1,-10.25 C7.2@5.5,-10.65 ; L1.2@9.75,-10.527 10,-10.278 R9.2@10,-8.79
  Top Copper w0.381: v1(4,-10.75) 4.99,-10.75 5.1,-10.859 5.1,-10.891 C7.2@5.1,-10.25 ; C7.2@5.5,-10.65 5.6,-10.65 6.01,-10.241 6.01,-9.741 6.5,-9.25 8.982,-9.25 9.206,-9.473 9.206,-10.075 9.658,-10.527 L1.2@9.75,-10.527
  Top Copper w0.508: v1(-1,-22.75) D7.A@-1,-21.7
  Signal Layer 2 w0.508: v1(-1,-22.75) 1,-20.75 1,-13.75 v1(4,-10.75)
USB1_VSENSE: R9.1 R10.2 U1.68 | length 9.7
  Top Copper w0.254: v1(8.75,-8.5) 8.75,-7.75 9.258,-7.242 9.968,-7.242 R9.1@10,-7.21 ; R9.1@9.96,-7.21 R10.2@11.5,-7.21
  Bottom Copper w0.254: U1.68@3.417,-7.061 4.856,-8.5 v1(8.75,-8.5)
USB2_N: C10.1 J2.A7 J2.B7 R7.1 | length 20.4
  Top Copper w0.203: v1@24.25,-17.154 24.5,-16.904 J2.B7@24.5,-15.41 ; v1(25.5,-17.246) J2.A7@25.5,-15.41
  Top Copper w0.254: C10.1@14.75,-12.15 16.25,-12.15 16.742,-11.658 16.742,-11.188 17.188,-10.742 19.96,-10.742 20.609,-11.391 20.609,-13.343 20.758,-13.492 24.736,-13.492 25.504,-14.26 25.504,-15.406 J2.A7@25.5,-15.41 ; v1(24.25,-17.25) v1@24.25,-17.154
  Signal Layer 1 w0.254: v1(24.25,-17.25) 24.252,-17.248 25.498,-17.248 v1(25.5,-17.246)
USB2_P: C9.1 J2.A6 J2.B6 R6.1 | length 19.3
  Top Copper w0.203: J2.A6@25,-15.41 24.967,-15.443 24.967,-17.664 25.086,-17.783 25.881,-17.783 26.033,-17.631 26.033,-15.443 J2.B6@26,-15.41
  Top Copper w0.254: C9.1@19,-12.15 17.575,-12.15 17.575,-11.975 17.402,-11.802 17.399,-11.802 17.25,-11.653 17.25,-11.399 17.399,-11.25 19.75,-11.25 20.101,-11.601 20.101,-13.601 20.5,-14 24.537,-14 25.004,-14.467 25.004,-14.962 25,-14.966 J2.A6@25,-15.41
USB2_VBUS: C8.2 D8.A L2.2 U4.12 | length 50.1
  Top Copper w0.254: D8.A@1.25,-21.7 D8.A@1.75,-21.2 ; U4.12@16.682,-22.218 16.726,-22.174 16.726,-20.814 v1(16.77,-20.77)
  Top Copper w0.381: v1(21.5,-9.25) 21.5,-10.241 21.91,-10.65 C8.2@22,-10.65 22.1,-10.65 22.51,-10.241 22.51,-9.74 23.25,-9 24.674,-9 25.706,-10.031 25.706,-10.075 26.158,-10.527 L2.2@26.25,-10.527
  Top Copper w0.508: v1(1.25,-22.75) D8.A@1.25,-21.7
  Signal Layer 2 w0.381: v1(16.77,-20.77) 16.77,-20.23 18.5,-18.5 18.5,-12.75 18.25,-12.5
  Signal Layer 2 w0.508: v1(1.25,-22.75) 2.25,-21.75 2.25,-14.25 4,-12.5 18.25,-12.5 v1(21.5,-9.25)
VCC: C43.1 D5.A D6.A H2.4 J12.5 R25.1 | length 45.9
  Top Copper w0.254: v1(-21.75,-0.25) -21.75,0.79 R25.1@-21.54,1 ; C43.1@-13.575,3 C43.1@-13,2.425
  Top Copper w0.381: v1(-21.75,-0.25) -21.75,-1.05 D6.A@-21.25,-1.55 ; D6.A@-20.75,-1.05 v1(-20.75,-0.25) ; v1(-18.25,-0.25) -18.25,-1.05 D5.A@-17.75,-1.55 ; D5.A@-17.25,-1.05 v1(-17.25,-0.25)
  Top Copper w0.508: v1(-15.25,1.75) -13.675,1.75 C43.1@-13,2.425 ; v1(-15.25,3) C43.1@-13.575,3
  Signal Layer 2 w0.508: H2.4@-30.5,18.75 -33,16.25 -33,8.236 J12.5@-29,4.236 -24.514,-0.25 v1(-21.75,-0.25) v1(-20.75,-0.25) v1(-18.25,-0.25) v1(-17.25,-0.25) -15.231,1.769 -15.25,1.789 v1(-15.25,3)
VD: D6.K D7.K D8.K P1.1 | length 37.8
  Top Copper w0.381: D7.K@-1.51,-16.8 D7.K@-1,-16.29 ; v1(-1,-15.25) v1@-0.969,-15.281 ; D8.K@1.4,-16.8 D8.K@1.75,-16.8
  Top Copper w0.508: P1.1@-25,-7.38 -23.03,-7.38 -21.6,-5.95 D6.K@-21.25,-5.95 ; v1(-2.25,-15.25) -2.25,-16.354 -1.804,-16.8 -1.51,-16.8 D7.K@-1.5,-16.8 ; v1@-0.969,-15.281 -0.119,-15.281 D8.K@1.4,-16.8
  Signal Layer 2 w0.508: P1.1@-25,-7.38 -18.63,-13.75 -5.25,-13.75 -3.75,-15.25 v1(-2.25,-15.25) v1(-1,-15.25)
VQ: D5.K J12.6 J12.9 | length 34.5
  Top Copper w0.381: v1(-18.25,-7.25) -18.25,-6.45 D5.K@-17.75,-5.95 ; v1(-17.25,-7.25) D5.K@-17.25,-6.45
  Signal Layer 2 w0.508: J12.6@-31.855,-5.355 -33.125,-6.625 ; J12.9@-31.845,2.865 -33.75,0.96 -33.75,-6 -33.125,-6.625 ; v1(-17.25,-7.25) -18.5,-7.25 -22,-7.25 -23.75,-5.5 -26.25,-5.5 -27,-6.25 -27,-8 -27.75,-8.75 -31,-8.75 -33.125,-6.625
pads on no net: H1.7 H1.9 J1. J1.A8 J1.B8 J2. J2.A8 J2.B8 J12. LS1.1 P1.4 P2.4 SW1.2 SW1.6 U1.5 U1.33 U1.34 U1.35 U1.36 U1.37 U1.38 U1.39 U1.40 U1.41 U1.42 U1.55 U1.56 U1.63 U1.64 U1.80 U1.83 U1.84 U1.85 U1.86 U1.87 U1.88 U1.90 U1.91 U1.98 U2.5 U2.8 U3.9 U4.2 U4.6 U4.7 U4.15 U4.16 U5.10 U5.11 U6.2 U6.3 U6.9 U7.1 U7.13

## Polygon pours and split planes (outlines as drawn)
no net on Top Overlay "Polygon_1_NoNet" (solid): 16,5.562 15.312,6.25 16.688,6.25
no net on Top Overlay "NONET_L-01_P-001" (solid): -3.75,-8.75 4.75,-8.75 4.75,-16 -3.75,-16
no net on Top Overlay "Polygon_2_NoNet" (solid): 12.5,6.312 13.188,7 12.5,7.688
GND on Signal Layer 1 "GND_L02_P000" (solid, remove dead copper, pour order 0): -42.75,27 -42.75,-26.75 -41,-28.5 43.25,-28.5 45,-26.75 45,25.5 44,26.5
+3.3 on Signal Layer 2 "+3.3_L03_P001" (solid, remove dead copper, pour order 1): -44,28 -41.75,25.75 -41.75,-30.75 44,-30.75 46.25,-28.5 45.25,-27.5 45.25,27.75

## Keep-outs
Keep-Out Layer:
  lines w0.254: -40,-20.5 ccw(c-36,-20.5) -36,-24.5 ; -40,20.5 cw(c-36,20.5) -36,24.5 ; 36,-24.5 ccw(c36,-20.5) 40,-20.5 ; 36,24.5 cw(c36,20.5) 40,20.5 ; -40,-24.5 40,-24.5 40,24.5 -40,24.5 -40,-24.5

## Silkscreen, mask and mechanical layers (free items; w line width, h text height)
Top Overlay:
  drawing of 22 lines, arcs and shapes, not listed
  text "SW+" at -27.95,24.575 h2 r180
  text "SW-" at -22.8,24.575 h2 r180
  text "BAT-" at -18.072,24.575 h2 r180
  text "BAT+" at -13.029,24.575 h2 r180
  text "H1" at -7.417,24.5 h1 r180
  text "H2" at -3.917,24.5 h1 r180
  text "5V" at -0.917,24.5 h1 r180
  text "GND" at 2.633,24.5 h1 r180
  text "3V3" at 6.133,24.5 h1 r180
  text "D1" at 9.383,24.5 h1 r180
  text "D2" at 13.05,24.5 h1 r180
  text "D3" at 16.55,24.5 h1 r180
  text "D4" at 20.05,24.5 h1 r180
  text "D5" at 23.55,24.5 h1 r180
  text "D6" at 27.05,24.5 h1 r180
  text "D7" at 30.55,24.5 h1 r180
  text "5V-I/O" at -5,15.929 h1.52 r180
  text "EXPANSION I/O" at 28.75,15.929 h1.52 r180
  text "POWER" at 5.5,15.875 h1.52 r180
  text "Mag" at 8.585,14.781 h1.52 r270
  text "SCK" at 40,13.367 h1 r90
  text "IMU1" at 21.287,12.881 h1.52 r270
  text "SI" at 40,10.417 h1 r90
  text "SPI" at 31.375,7 h1.52 r90
  text "SO" at 40,6.417 h1 r90
  text "5V Boost" at -23.51,5.177 h1.52
  text "High-G" at 26.875,5.026 h1.52 r270
  text "Y" at 11.062,4.9 h1 r270
  text "X" at 15.5,4.812 h1 r270
  text "SCL" at 40,2.417 h1 r90
  text "I2C" at 31.375,0 h1.52 r90
  text "Z" at 13.223,-0.422 h1 r270
  text "Baro" at 13.626,-0.719 h1.52 r270
  text "SDA" at 40,-1.083 h1 r90
  text "IMU2" at 22.126,-3.376 h1.52 r270
  text "H" at 40,-4.583 h1 r90
  text "CAN" at 31.375,-7 h1.52 r90
  text "L" at 40,-8.083 h1 r90
  text "3.3V Buck" at -23.51,-8.573 h1.52
  text "GND" at 40,-11.133 h1 r90
  text "Buzzer" at -15.52,-14.125 h1.52
  text "ACT" at -32.02,-24.125 h2
  text "NRM" at -27.575,-24.125 h2
  text "RST" at -22.991,-24.125 h2
  text "SWD" at -10.75,-24.5 h1.52
  text "USB-STM32" at 4,-24.5 h1.52
  text "USB-UART" at 20.5,-24.5 h1.52
Bottom Overlay:
  drawing of 26 lines, arcs and shapes, not listed
  text "VCC" at -31.96,20.25 h0.8 r270
  text "SW+" at -30.71,20.25 h1 r270
  text "SW-" at -26.21,20.25 h1 r270
  text "GND" at -21.8,20.25 h0.8 r270
  text "BAT-" at -20.55,20.25 h1 r270
  text "BAT+" at -16.05,20.25 h1 r270
  text "+5V" at -3.3,14.617 h1 r270
  text "GND" at 0.2,14.617 h1 r270
  text "SCK" at 41.049,14.2 h1
  text "+3.3V" at 3.7,12.701 h1 r270
  text "Vin" at -20,12.28 h1
  text "D2:PC1" at 10.7,11.868 h1 r270
  text "H1:PB7" at -9.3,11.784 h1 r270
  text "H2:PB6" at -6.8,11.701 h1 r270
  text "D1:PC0" at 7.117,11.701 h1 r270
  text "D4:PA3" at 17.7,11.701 h1 r270
  text "D5:PA5" at 21.2,11.701 h1 r270
  text "D6:PA6" at 24.7,11.701 h1 r270
  text "D7:PA7" at 28.2,11.701 h1 r270
  text "D3:PA2" at 14.2,11.451 h1 r270
  text "PA4" at -39.25,11.3 h0.8 r180
  text "3.3V" at -20,11.03 h0.8
  text "MISO" at 40.799,10.7 h1
  text "DROGUE" at -39.382,9.8 h1 r180
  text "GND" at -20,9.2 h1
  text "Vout" at -20,7.2 h1
  text "MOSI" at 40.799,7.2 h1
  text "5V" at -20,5.95 h0.8
  text "VQ" at -32.666,5.15 h0.8 r180
  text "EN" at -20,4.2 h1
  text "SCL" at 40.799,3.7 h1
  text "S+" at -26.334,3.6 h0.8
  text "S-" at -26.334,0.85 h0.8
  text "SDA" at 40.799,0.2 h1
  text "ED" at -34.15,-0.666 h0.8 r270
  text "B-" at -26.334,-1.9 h0.8
  text "CAN.H" at 34.049,-2.633 h1
  text "EM" at -34.15,-3.666 h0.8 r270
  text "B+" at -26.334,-4.65 h0.8
  text "G" at -26.334,-7.4 h0.8
  text "CAN.L" at 34.049,-7.633 h1
  text "VQ" at -30.834,-7.65 h0.8
  text "Vin" at -20,-8.05 h1
  text "GND" at 40.799,-10.383 h1
  text "GND" at -20,-10.8 h1
  text "MAIN" at -34.117,-12.3 h1
  text "Vout" at -20,-12.8 h1
  text "PE0" at -34.25,-13.8 h0.8
  text "3.3V" at -20,-14.05 h0.8
  text "MultiPurpose / Flight Computer" at 11.027,-14.5 h1 r270
  text "EN" at -20,-15.8 h1
  text "PE2" at -31.05,-21.799 h1 r270
  text "NC" at -26.8,-21.799 h1 r270
  text "RST" at -22.55,-21.799 h1 r270
  text "USART3 / PA11,PA12" at 22.697,-23.25 h0.8 r270
  text "USB-STM32" at 7.95,-23.382 h1 r270
  text "PC13" at -16.3,-23.549 h1 r270
  text "PE3,PE4,PE5" at -13.716,-23.632 h1 r270
  text "USB-UART" at 25.95,-23.632 h1 r270
Mechanical 1:
  the board outline again, w0.254
Mechanical 15:
  lines w0.254: -40,22.8 40,22.8 40,24.5 38.3,24.5 38.3,-24.5 ; -38.3,-17.5 -33,-17.5 -33,-22.8 ; -38.3,17.5 -33,17.5 -33,22.8 ; -38.3,24.5 -38.3,-24.5 -40,-24.5 -40,-22.8 40,-22.8 ; -35.745,0 -33.75,0 ; -34.75,-1 -34.75,1 ; -0.995,0 1,0 ; 0,-1 0,1 ; 33,-22.8 33,-17.5 38.3,-17.5 ; 33,22.8 33,17.5 38.3,17.5 ; 33.75,0 35.745,0 ; 34.75,-1 34.75,1

## Text inside footprints (layer, text, board x,y; h text height)
J1: Mechanical 13 "PCB EDGE" at 14.15,-22.68 h0.41
J2: Mechanical 13 "PCB EDGE" at 30.65,-22.68 h0.41
LS1: Mechanical 13 "-" at -16.81,-10.905 h0.81; Mechanical 13 "+" at -16.81,-7.095 h0.81; Top Overlay "+" at -16.81,-7.095 h0.81; Top Overlay "-" at -16.81,-10.905 h0.81
U3: Top Component Center "Default Padstyle: RX38Y17D0T" at 11,-14.5 h1.27 r90; Top Component Center "Heat Tab Padstyle: RX136Y171D0T" at 12.75,-14.75 h1.27 r90; Top Component Center "Alt 1 Padstyle: OX60Y90D30P" at 16.5,-13 h1.27 r90; Top Component Center "Alt 2 Padstyle: OX90Y60D30P" at 19,-13.5 h1.27 r90; Top Component Center "0.319in/8.103mm" at -8.763,-2.381 h0.64 r90; Top Component Center "0.022in/0.559mm" at -4.953,-6.153 h0.64 r90; Top Component Center "0.05in/1.27mm" at -0.953,-11.151 h0.64 r90; Top Component Center "0.24in/6.096mm" at 0.318,7.023 h0.64 r90; Top Component Center "0.319in/8.103mm" at 6.731,-2.381 h0.64 r90